# KiCad board lintilla.kicad_pcb
title: Lintilla; date: 2024-10-22; rev: v1.0; company: chad@transtrum.net
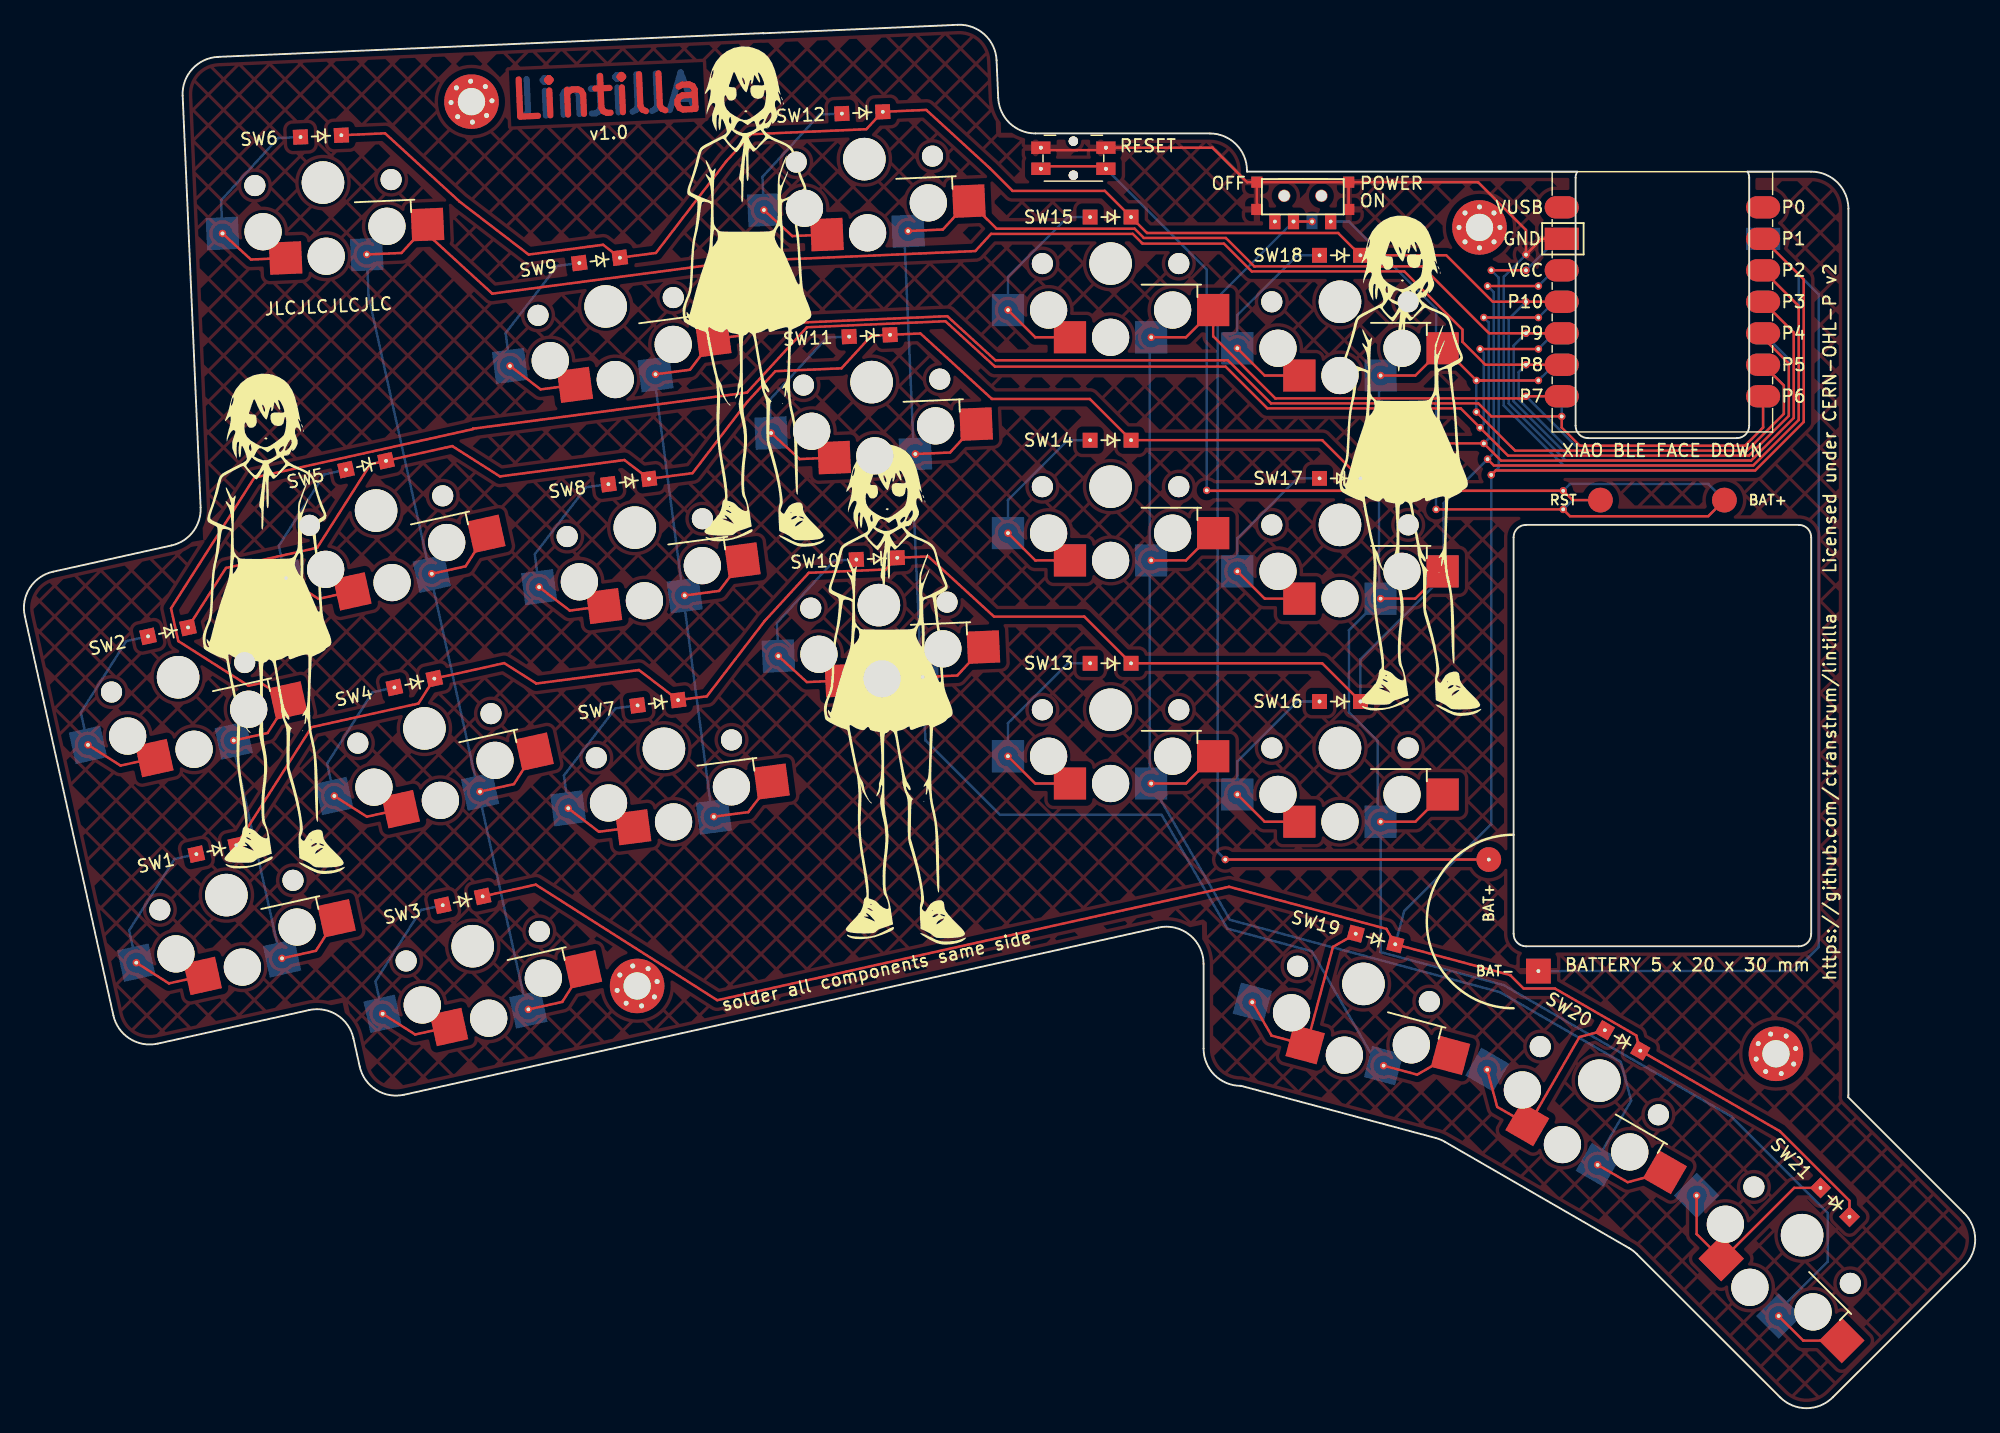
[diagram p0: board, top side]
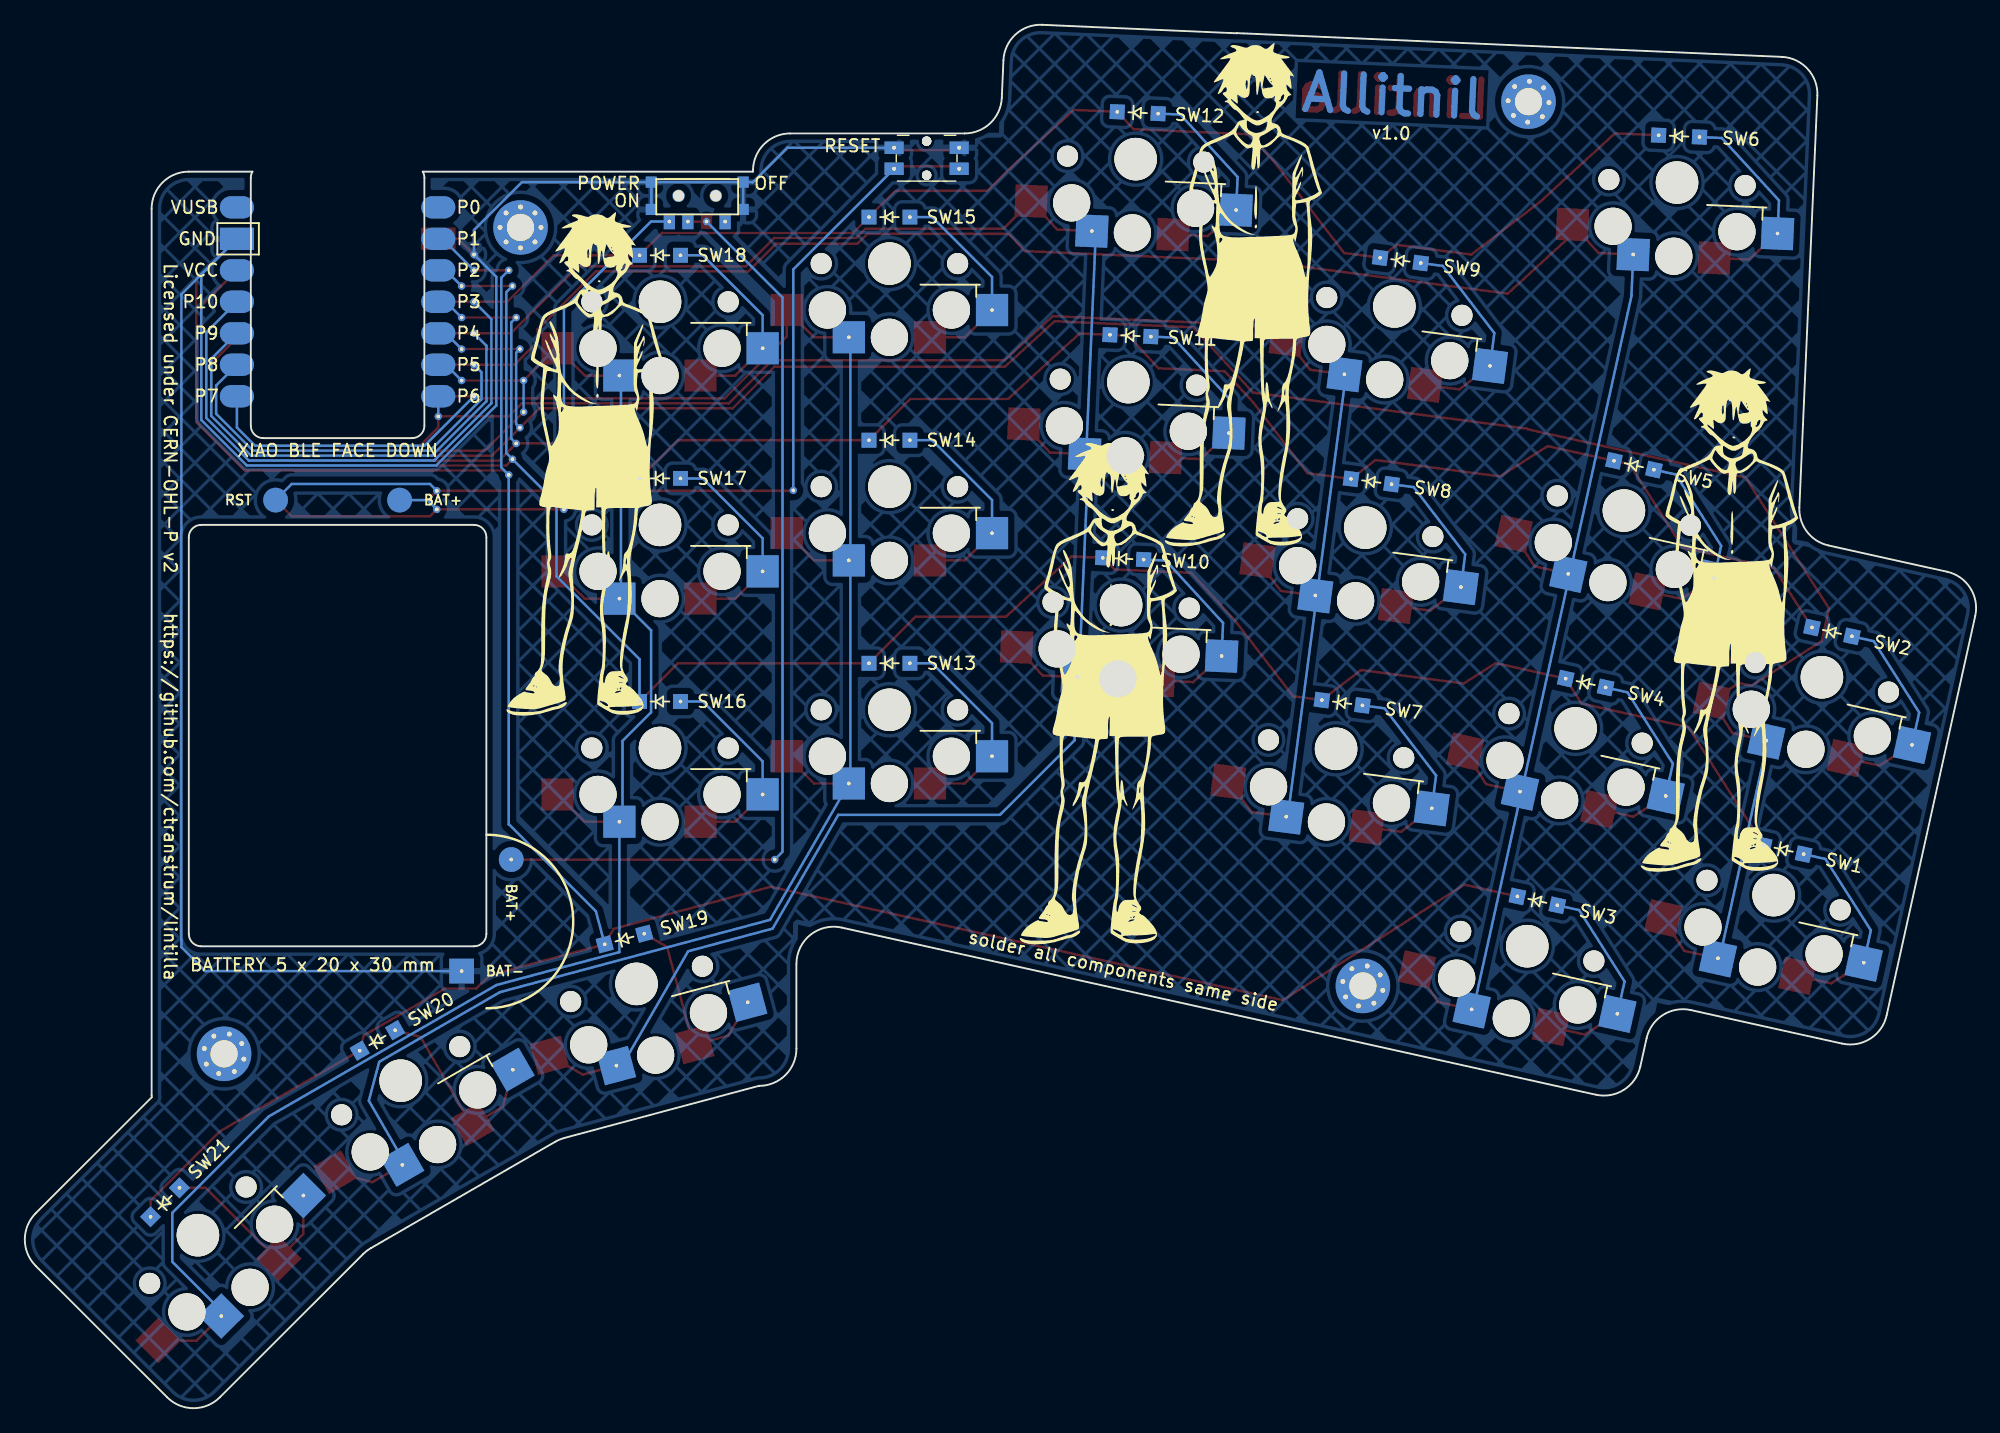
[diagram p1: board, bottom side, seen from below]

Outline 157.29 x 111.62 mm; copper layers: Top, Bottom. Coordinates in mm from the lower left corner of the outline.
Outline path: 0,63.91 arc(0.4,66.18) 2.28,67.49 11.83,69.61 arc(13.56,70.71) 14.18,72.67 12.73,105.9 arc(13.51,108.06) 15.6,109.03 59.55,110.95 59.55,110.93 75.24,111.62 arc(77.4,110.83) 78.37,108.75 78.5,105.72 arc(79.42,103.68) 81.5,102.85 95.56,102.85 arc(97.68,101.97) 98.56,99.85 98.56,99.77 125.19,99.77 arc(125.09,99.53) 125.06,99.27 125.06,79.27 arc(125.35,78.56) 126.06,78.27 138.06,78.27 arc(138.77,78.56) 139.06,79.27 139.06,99.27 arc(139.03,99.53) 138.93,99.77 144.06,99.77 arc(146.18,98.89) 147.06,96.77 147.06,25.27 arc(147.06,25.18) 147.04,25.09 156.41,15.73 arc(157.29,13.61) 156.41,11.49 145.8,0.88 arc(143.68,0) 141.56,0.88 130,12.43 arc(129.71,12.69) 129.38,12.91 114.5,21.5 arc(114.15,21.68) 113.78,21.8 98.08,26.01 98.06,26.01 arc(95.94,26.89) 95.06,29.01 95.06,35.85 arc(93.94,38.19) 91.41,38.78 30.58,25.29 arc(28.32,25.69) 27.01,27.57 26.5,29.84 arc(25.19,31.72) 22.92,32.12 10.72,29.42 arc(8.46,29.82) 7.14,31.7 0,63.91 ; 120.06,70.27 120.06,38.27 arc(120.35,37.56) 121.06,37.27 143.06,37.27 arc(143.77,37.56) 144.06,38.27 144.06,70.27 arc(143.77,70.98) 143.06,71.27 121.06,71.27 arc(120.35,70.98) 120.06,70.27
Stack: Top 0.035mm / dielectric 1.51mm FR4 er 4.5 / Bottom 0.035mm

## Placement (name value [footprint] x y rotation side)
ARC1  -  [arc_guide]  120.06 39.27 0 top
B1  -  [Panasonic_EVQPUL_EVQPUC]  84.56 100.85 0 top
B2  -  [Panasonic_EVQPUL_EVQPUC#2]  84.56 100.85 0 top
G***  LOGO  [Lintilla]  111.73 76.51 0 top
G***#2  LOGO  [Lintilla]  20.08 63.76 0 top
G***#3  LOGO  [Lintilla]  58.78 90.16 0 top
G***#4  LOGO  [Lintilla]  70.18 58.06 0 top
G***#5  LOGO  [Allitnil]  18.73 63.76 180 bottom
G***#6  LOGO  [Allitnil]  68.83 57.91 180 bottom
G***#7  LOGO  [Allitnil]  110.23 76.36 180 bottom
G***#8  LOGO  [Allitnil]  57.13 90.01 180 bottom
MCU1  -  [xiao-ble]  132.06 89.27 0 top
NOREF  -  [MountingHole_2.2mm_M2_Pad_Via]  36.02 105.42 2.5 top
NOREF#2  -  [MountingHole_2.2mm_M2_Pad_Via]  141.22 28.59 330 top
NOREF#3  -  [MountingHole_2.2mm_M2_Pad_Via]  117.31 95.27 0 top
NOREF#4  -  [MountingHole_2.2mm_M2_Pad_Via]  49.38 34.07 12.5 top
PAD1  -  [SMDPad#3]  137.06 73.27 0 top
PAD2  -  [SMDPad#2]  127.06 73.27 0 top
PAD3  -  [SMDPad#3]  127.06 73.27 0 top
PAD4  -  [SMDPad#2]  137.06 73.27 0 top
PAD5  -  [SMDPad#4]  118.06 44.27 270 top
PAD6  -  [SMDPad]  122.06 35.27 0 top
S1  -  [PG1350]  16.26 41.4 192.5 top
S2  -  [PG1350]  12.36 58.97 192.5 top
S3  -  [PG1350]  36.12 37.28 192.5 top
S4  -  [PG1350]  32.23 54.85 192.5 top
S5  -  [PG1350]  28.33 72.42 192.5 top
S6  -  [PG1350]  24.05 98.89 182.5 top
S7  -  [PG1350#2]  51.54 53.2 187.5 top
S8  -  [PG1350#2]  49.19 71.05 187.5 top
S9  -  [PG1350#2]  46.84 88.89 187.5 top
S10  -  [PG1350]  68.87 64.79 182.5 top
S11  -  [PG1350]  68.29 82.79 182.5 top
S12  -  [PG1350]  67.7 100.78 182.5 top
S13  -  [PG1350]  87.56 56.35 180 top
S14  -  [PG1350]  87.56 74.35 180 top
S15  -  [PG1350]  87.56 92.35 180 top
S16  -  [PG1350]  106.06 53.27 180 top
S17  -  [PG1350]  106.06 71.27 180 top
S18  -  [PG1350]  106.06 89.27 180 top
S19  -  [PG1350#2]  107.95 34.23 165 top
S20  -  [PG1350]  126.97 26.42 150 top
S21  -  [PG1350#3]  143.33 13.96 135 top
SW1  -  [ComboDiode]  15.45 45.06 192.5 top
SW2  -  [ComboDiode]  11.55 62.63 192.5 top
SW3  -  [ComboDiode]  35.31 40.94 192.5 top
SW4  -  [ComboDiode]  31.41 58.51 192.5 top
SW5  -  [ComboDiode]  27.52 76.08 192.5 top
SW6  -  [ComboDiode]  23.88 102.63 182.5 top
SW7  -  [ComboDiode]  51.05 56.92 187.5 top
SW8  -  [ComboDiode]  48.7 74.76 187.5 top
SW9  -  [ComboDiode]  46.35 92.61 187.5 top
SW10  -  [ComboDiode]  68.71 68.54 182.5 top
SW11  -  [ComboDiode]  68.13 86.53 182.5 top
SW12  -  [ComboDiode]  67.54 104.52 182.5 top
SW13  -  [ComboDiode]  87.56 60.1 180 top
SW14  -  [ComboDiode]  87.56 78.1 180 top
SW15  -  [ComboDiode]  87.56 96.1 180 top
SW16  -  [ComboDiode]  106.06 57.02 180 top
SW17  -  [ComboDiode]  106.06 75.02 180 top
SW18  -  [ComboDiode]  106.06 93.02 180 top
SW19  -  [ComboDiode]  108.92 37.86 165 top
SW20  -  [ComboDiode]  128.85 29.67 150 top
SW21  -  [ComboDiode]  145.98 16.61 135 top
T1  -  [SPDT_C128955]  103.06 97.82 0 top
T2  -  [SPDT_C128955#2]  103.06 97.82 0 top
V1  -  [VIA-0.6mm]  124.06 72.52 0 top
V2  -  [VIA-0.6mm]  113.81 72.52 0 top
V3  -  [VIA-0.6mm]  124.06 74.02 0 top
V4  -  [VIA-0.6mm]  95.31 74.05 0 top
V5  -  [VIA-0.6mm]  96.81 44.27 0 top

## Footprints (pads in the part's own frame, mm; a bottom-side part is the same pattern mirrored in y, then rotated)
ComboDiode
  round 0.6 hole 0.3: 1(-1.65,0) 2(1.65,0)
  rect 1.2x1.2 smd: 1(-1.65,0) 2(1.65,0)
  rect 1.2x1.2 smd far side: 1(-1.65,0) 2(1.65,0)
MountingHole_2.2mm_M2_Pad_Via
  round 0.7 hole 0.4: 1(-1.65,0) 1(-1.167,1.167) 1(-1.167,-1.167) 1(0,1.65) 1(0,-1.65) 1(1.167,1.167) 1(1.167,-1.167) 1(1.65,0)
  round 4.4 hole 2.2: 1(0,0)
Panasonic_EVQPUL_EVQPUC
  round 0.75 hole 0.75 unplated: (0,1.375) (0,-1.375)
  round 0.6 hole 0.3: 1(-2.625,0.85) 1(2.625,0.85) 2(-2.625,-0.85) 2(2.625,-0.85)
  rect 1.55x1 smd: 1(-2.625,0.85) 1(2.625,0.85) 2(-2.625,-0.85) 2(2.625,-0.85)
Panasonic_EVQPUL_EVQPUC#2
  round 0.75 hole 0.75 unplated: (0,1.375) (0,-1.375)
  round 0.6 hole 0.3: 1(-2.625,0.85) 1(2.625,0.85) 2(-2.625,-0.85) 2(2.625,-0.85)
  rect 1.55x1 smd far side: 1(-2.625,0.85) 1(2.625,0.85) 2(-2.625,-0.85) 2(2.625,-0.85)
PG1350
  round 1.702 hole 1.702 unplated: (-5.5,0) (5.5,0)
  round 3 hole 3 unplated: (-5,3.75) (0,5.95) (5,3.75)
  round 3.429 hole 3.429 unplated: (0,0)
  rect 2.6x2.6 smd: 1(-8.275,3.75) 2(3.275,5.95)
  round 0.6 hole 0.3: 1(-3.275,5.95) 2(8.275,3.75)
  rect 2.6x2.6 smd far side: 1(-3.275,5.95) 2(8.275,3.75)
PG1350#2
  round 1.702 hole 1.702 unplated: (-5.5,0) (5.5,0)
  round 3 hole 3 unplated: (-5,3.75) (0,5.95) (5,3.75)
  round 3.429 hole 3.429 unplated: (0,0)
  rect 2.6x2.6 smd: 1(-8.275,3.75) 2(3.275,5.95)
  round 0.6 hole 0.3: 1(-3.275,5.95) 2(8.275,3.75)
  rect 2.6x2.6 smd far side: 1(-3.275,5.95) 2(8.275,3.75)
PG1350#3
  round 1.702 hole 1.702 unplated: (-5.5,0) (5.5,0)
  round 3 hole 3 unplated: (-5,3.75) (0,5.95) (5,3.75)
  round 3.429 hole 3.429 unplated: (0,0)
  rect 2.6x2.6 smd: 1(-8.275,3.75) 2(3.275,5.95)
  round 0.6 hole 0.3: 1(-3.275,5.95) 2(8.275,3.75)
  rect 2.6x2.6 smd far side: 1(-3.275,5.95) 2(8.275,3.75)
SMDPad
  round 0.6 hole 0.3: 1(0,0)
  rect 2x2 smd: 1(0,0)
  rect 2x2 smd far side: 1(0,0)
SMDPad#4
  round 0.6 hole 0.3: 1(0,0)
  round 2 smd: 1(0,0)
  round 2 smd far side: 1(0,0)
SMDPad#2
  round 2 smd far side: 1(0,0)
SMDPad#3
  round 2 smd: 1(0,0)
SPDT_C128955
  rect 0.9x0.9 smd: (-3.7,1.1) (-3.7,-1.1) (3.7,1.1) (3.7,-1.1)
  round 1 hole 0.9 unplated: (-1.5,0) (1.5,0)
  rect 0.9x1.25 smd: 1(2.25,-2.075) 2(-0.75,-2.075) 3(-2.25,-2.075)
  round 0.6 hole 0.3: 3(-2.25,-2.075) 3(-0.75,-2.075)
SPDT_C128955#2
  rect 0.9x0.9 smd far side: (-3.7,1.1) (-3.7,-1.1) (3.7,1.1) (3.7,-1.1)
  rect 0.9x1.25 smd far side: 1(-2.25,-2.075) 2(0.75,-2.075) 3(2.25,-2.075)
  round 0.6 hole 0.3: 3(0.75,-2.075) 3(2.25,-2.075)
VIA-0.6mm
  round 0.6 hole 0.3: 1(0,0)
xiao-ble
  oval 2.75x1.8 smd far side: 1(-8.12,7.62) 2(-8.12,5.08) 3(-8.12,2.54) 4(-8.12,0) 5(-8.12,-2.54) 6(-8.12,-5.08) 7(-8.12,-7.62) 8(8.12,-7.62) 9(8.12,-5.08) 10(8.12,-2.54) 11(8.12,0) 12(8.12,2.54) 14(8.12,7.62)
  oval 2.75x1.8 smd: 1(8.12,7.62) 2(8.12,5.08) 3(8.12,2.54) 4(8.12,0) 5(8.12,-2.54) 6(8.12,-5.08) 7(8.12,-7.62) 8(-8.12,-7.62) 9(-8.12,-5.08) 10(-8.12,-2.54) 11(-8.12,0) 12(-8.12,2.54) 14(-8.12,7.62)
  rect 2.75x1.8 smd: 13(-8.12,5.08)
  rect 2.75x1.8 smd far side: 13(8.12,5.08)
  round 0.6 hole 0.3: 15(-11,3.81) 16(-14.1,1.27) 16(-14.1,-12.7) 16(-10,1.27) 17(-14.4,-1.27) 17(-14.4,-11.43) 17(-10,-1.27) 18(-14.7,-3.81) 18(-14.7,-10.16) 18(-10,-3.81) 19(-15,-6.35) 19(-15,-8.89) 19(-10,-6.35) 20(-8.12,-9.25) 21(-13.8,2.54) 21(-13.8,-13.97) 21(-11,2.54) 22(-11,0) 23(-11,-2.54) 24(-11,-5.08) 25(-11,-7.62)

## Nets
GND: B1.1 B2.1 MCU1.13 MCU1.15 PAD6.1 T1. T2.
BAT+: PAD1.1 PAD2.1 T1.1 V1.1 V2.1
BAT+|RAW: T2.3
index_bottom: S13.2 SW13.2
index_home: S14.2 SW14.2
index_top: S15.2 SW15.2
inner_bottom: S16.2 SW16.2
inner_home: S17.2 SW17.2
inner_top: S18.2 SW18.2
middle_bottom: S10.2 SW10.2
middle_home: S11.2 SW11.2
middle_top: S12.2 SW12.2
outer_bottom: S1.2 SW1.2
outer_home: S2.2 SW2.2
P1: MCU1.2 MCU1.21 SW3.1 SW19.1 SW20.1 SW21.1
P2: MCU1.3 MCU1.16 SW1.1 SW4.1 SW7.1 SW10.1 SW13.1 SW16.1
P3: MCU1.4 MCU1.17 SW2.1 SW5.1 SW8.1 SW11.1 SW14.1 SW17.1
P4: MCU1.5 MCU1.18 S1.1 S2.1
P5: MCU1.6 MCU1.19 S16.1 S17.1 S18.1 S21.1
P6: MCU1.7 MCU1.20 S7.1 S8.1 S9.1
P7: MCU1.8 MCU1.25 S13.1 S14.1 S15.1 S20.1
P8: MCU1.9 MCU1.24 S3.1 S4.1 S5.1 S6.1
P9: MCU1.10 MCU1.23 S10.1 S11.1 S12.1 S19.1
P10: MCU1.11 MCU1.22 SW6.1 SW9.1 SW12.1 SW15.1 SW18.1
pinky_bottom: S3.2 SW3.2
pinky_fn: S6.2 SW6.2
pinky_home: S4.2 SW4.2
pinky_top: S5.2 SW5.2
primary_spot: S20.2 SW20.2
RAW: PAD5.1 T1.2 T1.3 T2.2 V5.1
reachy_spot: S21.2 SW21.2
ring_bottom: S7.2 SW7.2
ring_home: S8.2 SW8.2
ring_top: S9.2 SW9.2
RST: B1.2 B2.2 PAD3.1 PAD4.1 V3.1 V4.1
secondary_spot: S19.2 SW19.2

Pads without a net: MCU1 1 12 14; NOREF 1; NOREF#2 1; NOREF#3 1; NOREF#4 1; T2 1

## Routing (per net, layer and track width the routed paths; a pad name or vN(x,y) marks a point on that pad's centre or on a via; arc(x,y) is an arc through that point)
GND: length 233.3
  Top w0.2: 106.76,98.92 99.36,98.92 ; 106.76,98.92 106.76,96.72 ; 106.76,98.92 117.2,98.92 121.06,95.05 MCU1.15 122.33,94.35 MCU1.13 ; 99.36,98.92 99.36,96.72 ; 99.36,98.92 98.56,98.92 95.78,101.7 B1.1 86.91,101.7 86.71,101.5 82.14,101.5 B1.1
  Bottom w0.2: 99.36,98.92 99.36,96.72 ; 99.36,98.92 98.56,98.92 95.78,101.7 B1.1 ; 99.36,98.92 106.76,98.92 ; 106.76,98.92 106.76,96.72 ; 106.76,98.92 117.2,98.92 121.06,95.05 MCU1.15 119.26,91.28 119.26,80.9 124.11,76.06 139.38,76.06 143.06,79.73 143.06,91.47 MCU1.13 144.66,89.87 144.66,37.2 142.73,35.27 PAD6.1
BAT+: length 54.9
  Top w0.2: V2.1 V1.1 124.61,71.97 135.76,71.97 PAD1.1
  Bottom w0.2: T1.1 106.78,95.74 113.81,88.72 V2.1 ; V1.1 124.81,73.27 PAD2.1
index_bottom: length 17.2
  Top w0.2: S13.2 81.49,50.4 S13.2
  Bottom w0.2: S13.2 79.29,55.28 84.11,60.1 SW13.2
index_home: length 17.2
  Top w0.2: S14.2 81.49,68.4 S14.2
  Bottom w0.2: S14.2 79.29,73.28 84.11,78.1 SW14.2
index_top: length 17.2
  Top w0.2: S15.2 81.49,86.4 S15.2
  Bottom w0.2: S15.2 79.29,91.28 84.11,96.1 SW15.2
inner_bottom: length 17.2
  Top w0.2: S16.2 99.99,47.32 S16.2
  Bottom w0.2: S16.2 97.79,52.19 102.61,57.02 SW16.2
inner_home: length 17.2
  Top w0.2: S17.2 99.99,65.32 S17.2
  Bottom w0.2: S17.2 97.79,70.19 102.61,75.02 SW17.2
inner_top: length 17.2
  Top w0.2: S18.2 99.99,83.32 S18.2
  Bottom w0.2: SW18.2 102.61,93.02 97.79,88.19 S18.2
middle_bottom: length 17.2
  Top w0.2: S10.2 63.07,58.59 S10.2
  Bottom w0.2: S10.2 60.65,63.36 65.27,68.39 SW10.2
middle_home: length 17.2
  Top w0.2: S11.2 62.48,76.58 S11.2
  Bottom w0.2: S11.2 60.07,81.35 64.68,86.38 SW11.2
middle_top: length 17.2
  Top w0.2: S12.2 61.89,94.57 S12.2
  Bottom w0.2: S12.2 59.48,99.34 64.1,104.37 SW12.2
outer_bottom: length 17.2
  Top w0.2: S1.2 11.62,34.28 S1.2
  Bottom w0.2: S1.2 8.41,38.56 12.08,44.31 SW1.2
outer_home: length 17.2
  Top w0.2: S2.2 7.72,51.85 S2.2
  Bottom w0.2: SW2.2 8.18,61.89 4.52,56.13 S2.2
P1: length 231
  Top w0.2: MCU1.21 MCU1.21 ; SW3.1 41.2,42.24 55.84,32.92 97.12,42.07 109.8,38.67 SW19.1 119.8,34.94 119.82,34.91 120.86,33.86 123.39,33.87 129.95,30.08 SW20.1 141.54,22.34 147.14,16.74 SW21.1 ; MCU1.2 143.46,91.07 143.46,79.57 139.54,75.66 118.62,75.66 MCU1.21
  Bottom w0.2: SW19.1 111.24,40.1 118.23,47.1 118.26,47.1 MCU1.21 118.86,75.9 118.86,91.15 118.86,91.21 MCU1.21 ; MCU1.21 123.6,94.35 MCU1.2
P2: length 193.4
  Top w0.2: MCU1.16 118.47,76.06 139.38,76.06 143.06,79.73 143.06,88.93 MCU1.3 ; SW1.1 23.13,54.95 31.74,56.86 SW4.1 38.66,60.12 41.25,58.47 49.53,59.56 SW7.1 55,57.44 59.67,63.52 63.23,67.4 69.42,67.67 70.28,68.61 SW10.1 72.86,68.72 78.16,63.87 85.44,63.87 SW13.1 104.63,60.1 SW16.1 ; MCU1.16 MCU1.16
  Bottom w0.2: SW16.1 107.71,60.43 114.41,67.13 114.41,73.02 MCU1.16 118.46,77.07 118.46,90.04 MCU1.16 ; MCU1.3 123.33,91.81 MCU1.16
P3: length 178.2
  Top w0.2: MCU1.17 MCU1.17 ; MCU1.4 142.66,86.79 142.66,79.9 139.21,76.46 119.04,76.46 MCU1.17 110.53,77.84 SW17.1 104.63,78.1 SW14.1 85.89,81.43 77.99,81.43 72.23,86.71 SW11.1 68.28,86.54 65.86,83.9 60.53,83.67 58.25,81.18 53.84,75.44 SW8.1 48.35,76.5 38.31,75.18 34.47,77.63 SW5.1 27.87,76.16 23.58,69.42 16.22,67.79 SW2.1
  Bottom w0.2: MCU1.4 123.33,89.27 MCU1.17 ; MCU1.17 118.06,87.6 118.06,78.24 MCU1.17
P4: length 209.2
  Top w0.2: S2.1 19.58,54.48 S2.1 19.05,58.51 18.04,58.29 12.38,61.89 11.79,64.53 18.52,75.09 36.12,78.99 36.15,79.03 36.15,79.03 58.24,81.94 63.07,87.21 74.24,87.7 78.24,84.04 96.84,84.04 100.21,80.67 115.8,80.67 MCU1.18 119.61,76.86 139.05,76.86 142.26,80.07 142.26,84.29 140.18,86.36 MCU1.5 ; S1.1 23.48,36.91 S1.1 ; MCU1.18 MCU1.18
  Bottom w0.2: S1.1 20.59,36.39 16.75,53.72 S2.1 ; MCU1.5 123.33,86.73 MCU1.18 ; MCU1.18 117.66,79.41 117.66,85.16 MCU1.18
P5: length 171.5
  Top w0.2: S21.1 143.41,5.46 S21.1 ; MCU1.6 141.86,82.51 141.86,80.23 138.88,77.26 120.18,77.26 MCU1.19 ; MCU1.19 117.72,82.92 ; MCU1.19 114.46,85.52 S18.1 112.14,83.32 S18.1 ; MCU1.19 117.72,82.92 ; 117.72,82.92 MCU1.19 ; S17.1 112.14,65.32 S17.1 ; S16.1 112.14,47.32 S16.1
  Bottom w0.2: S18.1 109.21,83.19 109.21,65.44 S17.1 ; S17.1 106.78,62.76 106.78,56.15 109.09,53.84 109.09,47.56 S16.1 ; S17.1 109.21,65.19 ; MCU1.19 123.33,84.19 MCU1.6 ; S16.1 109.34,36.8 119.24,34.14 137.62,23.54 145.39,15.76 145.39,11.82 141.43,7.86 S21.1 ; S16.1 109.21,47.44 ; MCU1.19 MCU1.19
P6: length 148.6
  Top w0.2: S7.1 58.34,48.09 S7.1 ; S8.1 55.99,65.94 S8.1 ; S9.1 53.64,83.79 S9.1 57.53,86.52 58.21,87.4 74.39,88.11 78.27,84.55 96.72,84.55 96.72,84.55 97.02,84.55 100.5,81.07 117.22,81.07 118.27,80.02 MCU1.20 123.94,79.12 125.41,77.66 138.72,77.66 140.18,79.12 MCU1.7
  Bottom w0.2: MCU1.7 MCU1.20 ; S9.1 50.76,83.28 53.07,65.68 S8.1 53.11,65.43 55.42,47.84 S7.1
P7: length 171.8
  Top w0.2: S13.1 93.64,50.4 S13.1 ; S20.1 129.26,18.23 S20.1 ; S14.1 93.64,68.4 S14.1 ; MCU1.8 MCU1.25 120.88,81.47 100.85,81.47 95.84,86.49 S15.1 93.64,86.4 S15.1
  Bottom w0.2: S15.1 90.71,86.28 90.71,68.53 S14.1 90.71,68.28 90.71,50.53 S13.1 97.19,39.4 118.97,33.57 128.7,27.94 129.54,24.81 126.75,19.97 S20.1 ; MCU1.25 125.05,77.66 138.72,77.66 140.18,79.12 MCU1.8
P8: length 218.9
  Top w0.2: S4.1 39.44,50.36 S4.1 ; S5.1 35.55,67.93 S5.1 ; MCU1.9 MCU1.24 117.78,84.19 115.94,86.03 115.94,87.03 111.24,91.72 98.94,91.72 96.7,93.96 90.14,93.96 89.35,94.75 77.92,94.75 76.65,93.36 57.41,92.52 37.7,89.93 32.51,94.68 S6.1 30.37,93.21 S6.1 ; S3.1 43.34,32.78 S3.1
  Bottom w0.2: MCU1.24 120.46,83.59 120.46,81.4 124.6,77.26 138.88,77.26 141.86,80.23 141.86,82.51 MCU1.9 ; 27.13,92.39 S6.1 27.72,89.78 ; S3.1 40.46,32.27 36.62,49.6 S4.1 36.56,49.84 32.72,67.17 S5.1 32.67,67.42 27.71,89.77
P9: length 206.4
  Top w0.2: S11.1 74.62,77.11 S11.1 ; S12.1 74.03,95.1 S12.1 78.37,95.16 89.5,95.16 90.24,94.42 96.85,94.42 99.15,92.12 112.69,92.12 118.08,86.73 MCU1.23 MCU1.10 ; S10.1 75.2,59.12 S10.1 ; S19.1 112.28,26.91 S19.1
  Bottom w0.2: S19.1 109.04,27.78 103.79,36.87 96.98,38.69 91.68,47.88 78.64,47.88 78.53,47.99 72.64,53.88 72.63,53.89 S10.1 72.28,59.11 71.51,76.65 S11.1 71.69,77.1 70.92,94.64 S12.1 ; MCU1.23 120.06,85.73 120.06,81.23 124.44,76.86 139.05,76.86 142.26,80.07 142.26,84.65 MCU1.10
P10: length 159.5
  Top w0.2: SW6.1 29.05,102.86 35.08,97.34 40.63,93.08 46.63,93.87 SW9.1 50.89,93.21 56.56,100.6 58.57,102.79 67.87,103.19 69.15,104.59 SW12.1 72.69,104.75 77.82,100.05 77.83,100.05 79.66,98.21 87.1,98.21 SW15.1 90.49,94.82 105.91,94.82 SW18.1 114.63,93.02 118.38,89.27 MCU1.22 MCU1.11
  Bottom w0.2: MCU1.22 119.66,87.87 119.66,81.07 124.27,76.46 139.21,76.46 142.66,79.9 142.66,86.79 MCU1.11
pinky_bottom: length 17.2
  Top w0.2: S3.2 31.48,30.15 S3.2
  Bottom w0.2: SW3.2 31.94,40.19 28.28,34.43 S3.2
pinky_fn: length 17.2
  Top w0.2: S6.2 18.24,92.68 S6.2
  Bottom w0.2: S6.2 15.83,97.45 20.44,102.48 SW6.2
pinky_home: length 17.2
  Top w0.2: S4.2 27.58,47.73 S4.2
  Bottom w0.2: SW4.2 28.05,57.76 24.38,52.01 S4.2
pinky_top: length 17.2
  Top w0.2: S5.2 23.69,65.3 S5.2
  Bottom w0.2: S5.2 20.48,69.58 24.15,75.34 SW5.2
primary_spot: length 16.3
  Top w0.2: S20.2 118.74,24.31 S20.2 121.33,22.96 125.37,29.95 SW20.2
RAW: length 77
  Top w0.2: T1.2 T2.2 ; PAD5.1 V5.1
  Bottom w0.2: V5.1 96.19,44.89 96.19,89.62 T1.2
reachy_spot: length 16.3
  Top w0.2: S21.2 134.82,14.05 S21.2 136.98,12.07 142.69,17.78 SW21.2
ring_bottom: length 17.2
  Top w0.2: S7.2 46.29,46.51 S7.2
  Bottom w0.2: S7.2 43.48,51.05 47.63,56.47 SW7.2
ring_home: length 17.2
  Top w0.2: S8.2 43.94,64.35 S8.2
  Bottom w0.2: S8.2 41.13,68.9 45.28,74.31 SW8.2
ring_top: length 17.2
  Top w0.2: S9.2 41.6,82.2 S9.2
  Bottom w0.2: SW9.2 42.93,92.16 38.78,86.74 S9.2
RST: length 80.6
  Top w0.2: B1.2 86.99,100.2 82.14,100.2 B1.2 ; PAD3.1 124.81,73.27 V3.1 95.34,74.02 V4.1
  Bottom w0.2: V3.1 124.61,74.57 135.76,74.57 PAD4.1 ; B1.2 95.31,91.88 V4.1
secondary_spot: length 16.3
  Top w0.2: S19.2 100.55,30.06 S19.2 103.4,29.42 105.49,37.22 SW19.2

## Copper pours and planes (outline as drawn; the poured copper is in the pictures)
GND on Top, Bottom: 12.73,109.06 78.43,111.76 78.73,102.91 98.53,102.91 98.68,100.06 146.98,99.76 147.13,25.21 158.23,13.81 143.38,-1.04 129.88,12.61 114.28,21.76 95.08,26.26 94.93,39.01 27.43,24.46 25.63,32.71 7.78,28.96 -0.92,67.36 14.38,70.06

## Text on the board
Bottom: Allitnil
B.Mask: Allitnil
B.Silkscreen: OFF | BATTERY 5 x 20 x 30 mm | RESET | XIAO BLE FACE DOWN | POWER | ON | v1.0 | solder all components same side | https://github.com/ctranstrum/lintilla | Licensed under CERN-OHL-P v2
Top: Lintilla
F.Mask: Lintilla
F.Silkscreen: POWER | ON | RESET | XIAO BLE FACE DOWN | OFF | BATTERY 5 x 20 x 30 mm | JLCJLCJLCJLC | v1.0 | solder all components same side | Licensed under CERN-OHL-P v2 | https://github.com/ctranstrum/lintilla
